# Altium PCB LimeSDR-X3_1v2.PcbDoc (part 11 of 25) (continued)
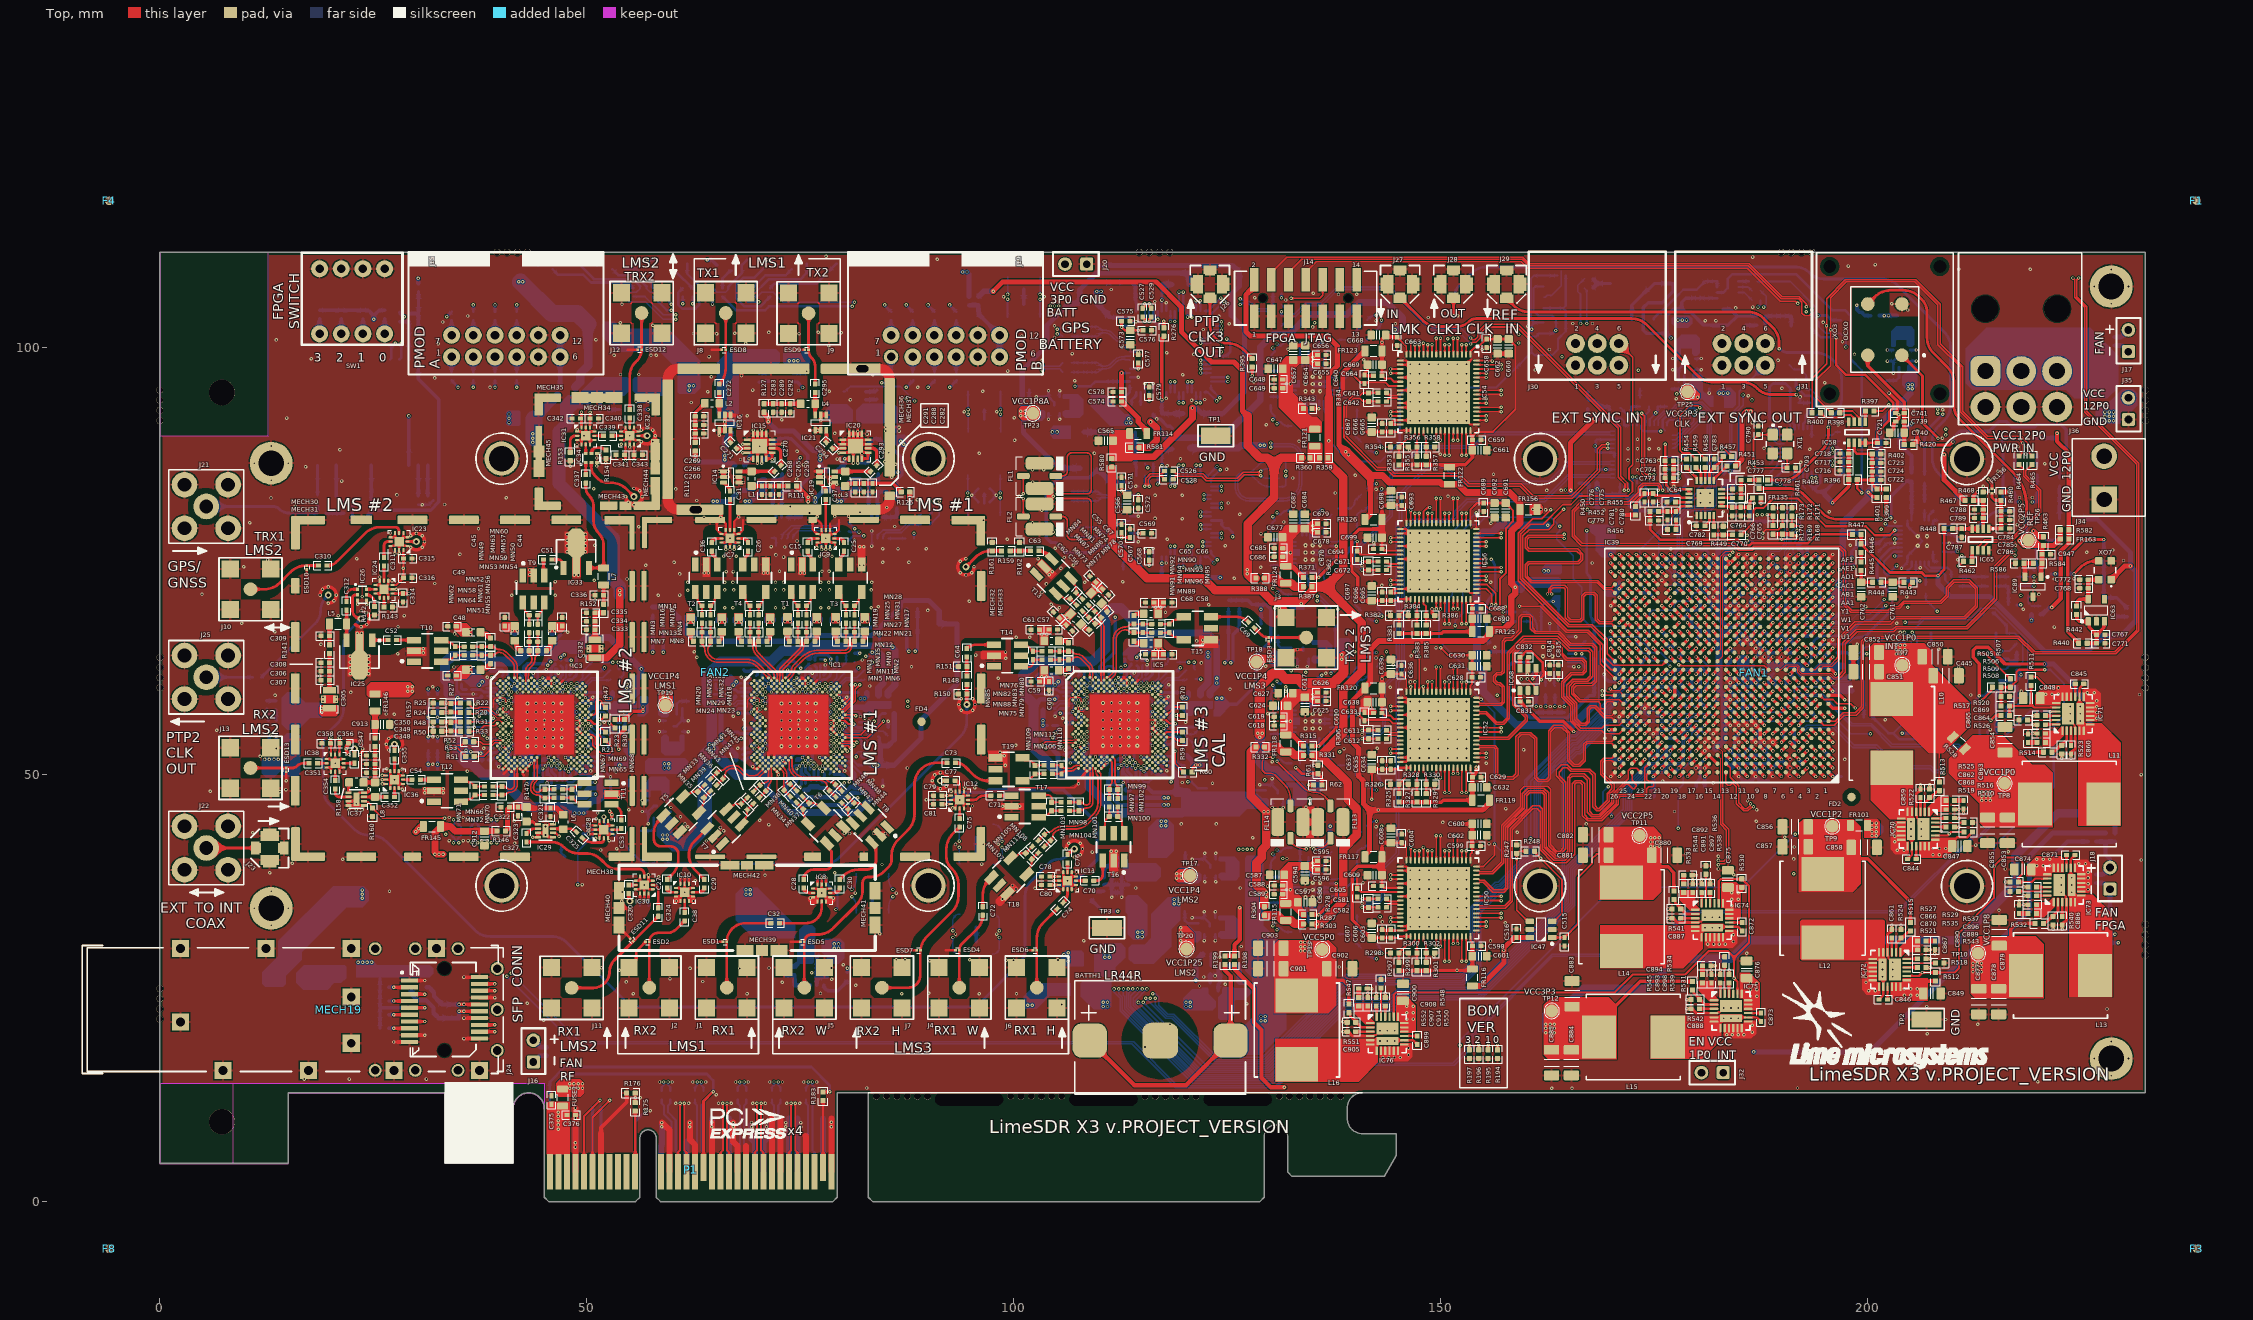
[diagram p0: Top view]
## Nets (pads, with @x,y where several pads share a name; then routed paths per layer and width w, separated by ;. In a path a pad name is that pad's centre, name@x,y a point inside that pad or via, vN(x,y) a via of type N, cw(c..) or ccw(c..) an arc to the next point about the centre after c; other vN are vias at no path point) (continued)
LMS1_MCLK2: IC1.P34 IC39.AA4 | length 196.9
  Top w0.15: IC1.P34@80.24,57.005 81.362,57.005 v1(81.481,56.885)
  Top w0.4: IC39.AA4@192.375,70.275 v1(192.875,70.775)
  L3 w0.1: v1(81.481,56.885) 81.481,57.181 81.971,57.671 83.479,57.671 83.85,57.3 86.725,57.3 86.95,57.525 86.95,58.425 86.775,58.6 85.35,58.6 85.075,58.875 85.075,59.2 85.275,59.4 88.15,59.4 89.575,60.825 89.575,62.974 90.375,63.774 90.375,66.758 96.25,72.633 96.25,75.258 103.3,82.308 103.3,83.133 110.64,90.473 110.64,90.89 111.25,91.5 111.25,102.449 116.301,107.5 120.794,107.5 121.494,108.2 154.032,108.2 154.629,107.603 191.772,107.603 199.256,100.119 199.256,92.56 199.45,92.366 199.45,84.551 197.55,82.651 197.55,77.955 194.525,74.93 194.525,74.75 194.525,74.35 194.745,74.13 195.17,74.13 195.325,73.975 195.325,73.425 195.125,73.225 194.65,73.225 194.475,73.05 194.475,72.425 194.65,72.25 195.15,72.25 195.297,72.103 195.297,71.703 194.225,70.63 193.77,70.175 193.075,70.175 192.875,70.375 v1(192.875,70.775)
LMS1_RESET: IC1.E27 IC39.V1 R2.1 | length 197.6
  Top w0.4: IC39.V1@195.375,67.275 v1(195.875,67.775)
  L3 w0.1: v2(77.909,60.002) 78.392,60.002 81.461,63.071 82.457,63.071 83.207,63.821 84.05,63.821 84.75,64.521 84.75,69.8 86.125,71.175 86.125,72.15 96.17,82.195 96.17,83.795 102.975,90.6 106.525,90.6 108.65,92.725 108.65,103.531 108.75,103.631 115.219,110.1 119.717,110.1 120.417,110.8 155.109,110.8 155.684,110.225 192.858,110.225 201.875,101.208 201.875,93.618 202.05,93.443 202.05,82.275 200.275,80.5 200.275,71.809 196.241,67.775 v1(195.875,67.775)
  Bottom w0.4: v1(195.875,67.775) R2.1@196.55,67.775
LMS1_RX1_H: C30.1 IC8.8 | length 1.6
  Top w0.325: IC8.8@78.363,36.145 IC8.8@78.488,36.145 78.983,36.145 ccw(c78.983,36.762) C30.1@79.6,36.762
LMS1_RX1_IN: C32.1 ESD1.1 J1.1 | length 11.8
  Top w0.325: J1.1@66.375,25.05 66.375,29.421 ESD1.1@66.375,30.421 cw(c68.554,30.421) 68.554,32.6 C32.1@71.525,32.6
LMS1_RX1_L: C28.1 IC8.2 | length 1.6
  Top w0.325: C28.1@75.375,36.762 ccw(c75.992,36.762) 75.992,36.145 IC8.2@76.488,36.145 IC8.2@76.612,36.145
LMS1_RX2_H: C29.1 IC10.8 | length 1.7
  Top w0.325: IC10.8@62.315,36.22 IC10.8@62.44,36.22 63.223,36.22 ccw(c63.223,36.732) C29.1@63.735,36.732
LMS1_RX2_IN: C38.1 ESD2.1 J2.1 | length 10.7
  Top w0.325: J2.1@57.3,25.05 57.3,29.318 ESD2.1@57.3,30.421 cw(c58.354,30.421) 58.354,31.475 59.425,31.475 ccw(c59.425,32.972) 60.483,31.913 61.303,32.732 61.353,32.732 61.44,32.82 C38.1@61.44,32.87
LMS1_RX2_L: C27.1 IC10.2 | length 1.5
  Top w0.325: C27.1@59.395,36.72 ccw(c59.895,36.72) 59.895,36.22 IC10.2@60.44,36.22 IC10.2@60.565,36.22
LMS1_RXEN: IC1.V34 IC39.AE3 R4.2 | length 140.3
  Top w0.4: IC39.AE3@193.375,74.275 v1(193.875,74.775)
  L6 w0.1: v1(81.516,52.107) 82.653,52.107 100.747,70.2 102.95,70.2 106.225,73.475 107.15,73.475 107.65,73.975 113.275,73.975 115.2,72.05 128.1,72.05 129.625,72.05 130.05,72.475 136,72.475 136.65,73.125 143.075,73.125 144.275,74.325 155.567,74.325 157.967,76.725 164.117,76.725 165.442,78.05 167.1,78.05 169.55,80.5 170.625,80.5 171.25,81.125 181.65,81.125 183.35,82.825 188.15,82.825 188.525,82.45 189.6,82.45 191.075,80.975 192.325,80.975 192.85,80.45 192.85,79.775 192.7,79.625 192.7,77.525 194.225,76 194.225,75.125 v1(193.875,74.775)
  Bottom w0.15: v1(81.516,52.107) 81.516,52.457 81.753,52.694 82.669,52.694 R4.2@83.15,53.175
  Bottom w0.2: v2(80.24,55.673) 81.044,54.869 81.856,54.869 83.15,53.575 R4.2@83.15,53.175
LMS1_RxPLL_CLK: C799.2 IC1.AM24 R472.1 | length 101.4
  L8 w0.1: v2(76.91,51.011) 77.227,51.328 cw(c78.069,50.486) 78.069,51.677 79.339,51.677 ccw(c79.339,54.061) 81.025,52.375 cw(c82.474,50.926) 82.474,52.975 91.298,52.975 ccw(c91.298,55.515) 93.094,53.719 102.344,62.969 ; 102.345,62.97 cw(c103.625,61.689) 103.625,63.5 ccw(c103.625,65.009) 104.692,63.942 106.856,66.106 cw(c108.652,64.31) 108.652,66.85 121.848,66.85 ccw(c121.848,69.39) 123.644,67.594 125.456,69.406 cw(c127.252,67.61) 127.252,70.15 130.485,70.15 cw(c130.485,67.76) 132.175,69.45 135.506,66.119 ccw(c137.302,67.915) 137.302,65.375 142.923,65.375 cw(c142.923,62.835) 144.719,64.631 146.981,62.369 ccw(c148.777,64.165) 148.777,61.625 151.15,61.625 cw(c151.15,61.025) 151.75,61.025 ccw(c153.078,61.025) 152.139,60.086 cw(c151.448,59.395) 152.425,59.395 152.425,58.525 ccw(c153.075,58.525) 153.075,57.875 153.475,57.875 cw(c153.475,57.09) 154.03,57.645 154.425,57.25 ccw(c155.089,57.914) 155.089,56.975 162.6,56.975 ccw(c162.6,57.725) 163.35,57.725 v1(163.35,57.976)
  Bottom w0.325: C799.2@163.35,58.276 R472.1@163.35,59.376
LMS1_RXRF1_HAB_N: IC1.AJ15 MN46.1 MN48.2 | length 8.1
  Top w0.2: IC1.AJ15@73.913,52.01 cw(c73.672,51.768) 74.013,51.768 74.013,50.984 ccw(c74.968,50.984) 74.293,50.309 74.486,50.116 ccw(c75.5,51.13) 75.5,49.696 77.185,49.696 cw(c77.185,48.265) 78.197,49.277 ccw(c78.556,49.636) 78.556,49.128 78.602,49.128 cw(c78.602,48.62) 78.961,48.979 MN46.1@79.095,48.845 ; MN46.1@79.1,48.84 MN48.2@79.837,48.103
LMS1_RXRF1_HAB_P: IC1.AK14 MN42.2 MN46.2 | length 8
  Top w0.2: IC1.AK14@73.58,51.677 cw(c73.355,51.452) 73.673,51.452 73.673,50.982 ccw(c74.963,50.982) 74.051,50.07 74.248,49.873 ccw(c75.496,51.121) 75.496,49.356 77.185,49.356 cw(c77.185,48.265) 77.956,49.036 cw(c77.597,48.677) 78.105,48.677 78.105,48.631 ccw(c78.613,48.631) 78.254,48.272 MN46.2@78.388,48.138 MN42.2@79.13,47.395
LMS1_RXRF1_HBB_N: MN44.1 MN48.1 T8.6 | length 2.2
  Top w0.2: MN48.1@80.545,47.395 MN44.1@81.287,46.653 81.854,46.653 cw(c81.854,46.316) 82.093,46.554 T8.6@82.312,46.335
LMS1_RXRF1_HBB_P: MN42.1 MN44.2 T8.4 | length 2.2
  Top w0.2: MN42.1@79.837,46.688 80.12,46.405 MN44.2@80.58,45.946 80.58,45.378 ccw(c80.917,45.378) 80.679,45.14 T8.4@80.898,44.921
LMS1_RXRF1_LAB_N: IC1.AM12 MN38.1 MN40.2 | length 3.4
  Top w0.2: IC1.AM12@72.914,51.011 ccw(c73.012,51.011) 72.943,50.941 72.971,50.913 cw(c72.926,50.869) 72.989,50.869 ccw(c73.052,50.869) 73.007,50.825 73.084,50.748 cw(c72.345,50.009) 73.39,50.009 73.39,49.035 MN38.1@73.55,48.875 ; MN38.1@73.792,48.882 MN40.2@74.53,48.145
LMS1_RXRF1_LAB_P: IC1.AN11 MN34.2 MN38.2 | length 3.8
  Top w0.2: IC1.AN11@72.581,50.678 cw(c72.581,50.58) 72.65,50.649 72.678,50.621 ccw(c72.723,50.665) 72.723,50.603 cw(c72.723,50.54) 72.767,50.584 72.841,50.51 cw(c72.338,50.006) 73.05,50.006 73.05,48.253 ccw(c73.153,48.253) MN38.2@73.08,48.18 ; MN38.2@73.08,48.18 MN34.2@73.822,47.438
LMS1_RXRF1_LBB_N: MN37.1 MN40.1 T6.6 | length 2.5
  Top w0.2: MN40.1@75.237,47.438 MN37.1@75.979,46.695 ; MN37.1@76.015,46.66 76.582,46.66 cw(c76.582,46.323) 76.82,46.561 T6.6@77.28,46.101
LMS1_RXRF1_LBB_P: MN34.1 MN37.2 T6.4 | length 2.5
  Top w0.2: MN34.1@74.53,46.73 MN37.2@75.272,45.988 ; MN37.2@75.307,45.953 75.307,45.385 ccw(c75.645,45.385) 75.406,45.147 T6.4@75.866,44.687
LMS1_RXRF2_HAB_N: IC1.AM8 MN45.1 MN47.2 | length 4.2
  Top w0.11: 71.582,50.505 IC1.AM8@71.582,51.011
  Top w0.14: 71.582,50.505 71.582,49.765 71.591,49.755
  Top w0.2: MN47.2@70.219,47.33 MN45.1@70.957,48.067 ; MN45.1@70.962,48.072 71.096,48.206 ccw(c70.737,48.566) 71.245,48.566 71.245,48.611 cw(c71.753,48.611) 71.393,48.971 ccw(c70.915,49.449) 71.591,49.449 71.591,49.755
LMS1_RXRF2_HAB_P: IC1.AN7 MN41.2 MN45.2 | length 3.6
  Top w0.14: IC1.AN7@71.249,50.678 cw(c71.22,50.649) 71.261,50.649 71.261,49.765 71.251,49.755
  Top w0.2: MN41.2@69.512,48.037 MN45.2@70.255,48.779 70.389,48.913 cw(c70.748,48.554) 70.748,49.062 70.794,49.062 ccw(c70.794,49.57) 71.153,49.211 ccw(c70.915,49.449) 71.251,49.449 71.251,49.755
LMS1_RXRF2_HBB_N: MN43.1 MN47.1 T7.6 | length 3
  Top w0.2: T7.6@68.176,44.092 68.176,44.579 68.636,45.039 ccw(c68.397,45.277) 68.734,45.277 MN43.1@68.734,45.845 ; MN43.1@68.77,45.88 MN47.1@69.512,46.623
LMS1_RXRF2_HBB_P: MN41.1 MN43.2 T7.4 | length 3
  Top w0.2: T7.4@66.274,45.994 66.762,45.994 67.221,46.453 cw(c67.46,46.215) 67.46,46.552 MN43.2@68.027,46.552 ; MN43.2@68.063,46.587 MN41.1@68.805,47.33
LMS1_RXRF2_LAB_N: IC1.AP6 MN36.1 MN39.2 | length 7.4
  Top w0.2: MN39.2@65.173,48.775 MN36.1@65.911,49.513 ; MN36.1@65.916,49.518 65.983,49.585 66.05,49.652 ccw(c65.691,50.011) 66.199,50.011 66.199,50.057 cw(c66.707,50.057) 66.348,50.416 cw(c67.093,49.671) 67.093,50.725 67.25,50.725 cw(c67.25,50.015) 67.753,50.517 68.495,49.774 ccw(c69.072,50.351) 69.072,49.535 69.599,49.535 ccw(c69.599,50.536) 70.307,49.828 70.73,50.251 cw(c70.774,50.207) 70.774,50.27 ccw(c70.774,50.332) 70.819,50.288 70.847,50.316 cw(c70.916,50.247) IC1.AP6@70.916,50.345
LMS1_RXRF2_LAB_P: IC1.AN5 MN33.2 MN36.2 | length 7.4
  Top w0.2: MN33.2@64.466,49.483 65.209,50.225 65.276,50.292 65.343,50.359 cw(c65.702,50) 65.702,50.508 65.748,50.508 ccw(c65.748,51.016) 66.107,50.657 66.109,50.659 cw(c67.09,49.678) 67.09,51.065 67.253,51.065 cw(c67.253,50.021) 67.991,50.759 68.734,50.016 ccw(c69.075,50.358) 69.075,49.875 69.597,49.875 ccw(c69.597,50.543) 70.069,50.071 70.49,50.492 ccw(c70.445,50.536) 70.508,50.536 cw(c70.571,50.536) 70.526,50.58 70.554,50.608 ccw(c70.485,50.678) IC1.AN5@70.583,50.678
LMS1_RXRF2_LBB_N: MN35.1 MN39.1 T5.6 | length 3
  Top w0.2: T5.6@63.13,45.537 63.13,46.025 63.59,46.485 ccw(c63.351,46.723) 63.689,46.723 MN35.1@63.689,47.291 ; MN35.1@63.724,47.326 MN39.1@64.466,48.068
LMS1_RXRF2_LBB_P: MN33.1 MN35.2 T5.4 | length 3
  Top w0.2: T5.4@61.228,47.439 61.716,47.439 62.176,47.899 cw(c62.414,47.661) 62.414,47.998 MN35.2@62.981,47.998 ; MN35.2@63.017,48.033 MN33.1@63.759,48.776
LMS1_TX1_1: C16.1 IC7.8 | length 1.5
  Top w0.325: C16.1@64.627,77.148 cw(c65.14,77.148) 65.14,77.66 IC7.8@65.747,77.66 IC7.8@65.872,77.66
LMS1_TX1_2: C26.1 IC7.2 | length 1.5
  Top w0.325: IC7.2@67.622,77.66 IC7.2@67.747,77.66 68.355,77.66 cw(c68.355,77.148) C26.1@68.867,77.148
LMS1_TX1_EN: IC13.3 IC39.J23 | length 128
  Top w0.4: v1(172.875,57.775) IC39.J23@173.375,58.275
  L4 w0.1: v1(131.825,60.3) 134.3,57.825 136,57.825 137.575,56.25 143.817,56.25 145.667,58.1 153.45,58.1 154.75,56.8 168.55,56.8 169.1,57.35 172.45,57.35 v1(172.875,57.775)
  L10 w0.1: v1(87.375,94) 87.625,94.25 88.398,94.25 88.948,93.7 101.6,93.7 102.5,92.8 113.558,92.8 114.55,91.808 114.55,88.2 116.528,86.222 116.528,85.83 117.725,84.633 117.725,80.308 119.7,78.333 119.7,76.178 120.65,75.228 120.65,72.983 129.1,64.533 129.1,60.608 129.858,59.85 131.375,59.85 v1(131.825,60.3)
  L6 w0.1: v1(75.25,95.325) 86.05,95.325 v1(87.375,94)
  Bottom w0.4: IC13.3@74.075,96.075 74.175,95.975 74.6,95.975 v1(75.25,95.325)
LMS1_TX1_OUT: C31.2 IC14.3 | length 1.4
  Top w0.325: IC14.3@65.997,84.199 66.747,83.449 C31.2@66.747,83.13
LMS1_TX1_PA_OUT: C272.2 ESD8.1 J8.1 | length 8.5
  Top w0.325: C272.2@65.497,95.755 65.504,95.761 ccw(c63.707,97.557) 66.247,97.557 66.247,98.429 J8.1@66.247,104.05
LMS1_TX1_PA_VCTRL: C278.2 C279.1 R119.2 R121.1 | length 10.8
  Bottom w0.4: R119.2@71.725,88.65 72.403,89.328 72.928,89.328 C278.2@72.95,89.35 73.9,89.35 75.85,87.4 75.85,84.658 75.069,83.877 C279.1@75.069,83.264 R121.1@75.069,82.189
LMS1_TX2_1: C15.1 IC9.8 | length 1.5
  Top w0.325: C15.1@75.853,77.148 cw(c76.366,77.148) 76.366,77.66 IC9.8@76.973,77.66 IC9.8@77.098,77.66
LMS1_TX2_2: C25.1 IC9.2 | length 1.5
  Top w0.325: IC9.2@78.848,77.66 IC9.2@78.973,77.66 79.581,77.66 cw(c79.581,77.148) C25.1@80.093,77.148
LMS1_TX2_EN: IC18.3 IC39.H23 | length 121.8
  Top w0.4: v1(172.875,56.775) IC39.H23@173.375,57.275
  L4 w0.1: v1(131.825,59.75) 133.95,57.625 135.917,57.625 137.492,56.05 139.4,56.05 143.9,56.05 145.75,57.9 153.367,57.9 154.667,56.6 168.633,56.6 169.183,57.15 172.5,57.15 v1(172.875,56.775)
  L10 w0.1: v1(88.375,93.75) 88.625,93.5 101.517,93.5 102.417,92.6 113.475,92.6 114.35,91.725 114.35,88.117 116.328,86.139 116.328,85.747 117.525,84.55 117.525,80.225 119.5,78.25 119.5,76.096 120.45,75.146 120.45,72.9 128.9,64.45 128.9,60.525 129.925,59.5 131.575,59.5 v1(131.825,59.75)
  Bottom w0.2: IC18.3@80.025,94.85 80.215,94.85 80.815,95.45 86.675,95.45 v1(88.375,93.75)
LMS1_TX2_OUT: C37.2 IC19.3 | length 1.4
  Top w0.325: IC19.3@77.225,84.2 77.223,84.199 77.973,83.449 C37.2@77.973,83.13
LMS1_TX2_PA_OUT: C295.2 ESD9.1 J9.1 | length 8.5
  Top w0.325: J9.1@75.95,104.025 75.95,99.68 ccw(c77.23,99.68) 76.325,98.775 cw(c75.363,97.813) 76.723,97.813 76.723,96.928 C295.2@76.724,95.755
LMS1_TX2_PA_VCTRL: C301.2 C302.1 R134.2 R136.1 | length 10.3
  Bottom w0.4: R134.2@82.953,88.652 83.63,89.329 C301.2@84.155,89.329 85.135,88.35 85.65,88.35 86.875,87.125 86.875,85.1 86.3,84.525 C302.1@86.3,83.3 86.3,82.194 R136.1@86.296,82.189
LMS1_TXEN: IC1.U29 IC39.V6 R3.2 | length 191.2
  Top w0.4: IC39.V6@190.375,67.275 v1(190.875,67.775)
  L3 w0.1: v2(78.575,56.006) 78.575,55.45 78.05,54.925 78.05,52.046 80.05,50.046 81.154,50.046 82.179,49.021 83.721,49.021 86.075,51.375 91.6,51.375 94.9,54.675 97.175,54.675 102.55,60.05 103.683,60.05 104.975,61.342 104.975,63.242 111.775,70.042 111.775,81.6 113.875,83.7 113.875,84.142 114.325,84.592 114.325,85.134 116.729,87.539 122.114,87.539 129.811,95.236 129.811,100.228 130.558,100.975 135.206,100.975 136.356,102.125 140.181,102.125 142.256,104.2 152.375,104.2 153.377,103.198 172.262,103.198 173.309,102.15 188.5,102.15 190.3,100.35 190.3,93.925 191.3,92.925 191.3,82.611 189.8,81.111 189.8,78.833 189.025,78.058 189.025,77.358 188.125,76.458 188.125,74.825 188.125,74.464 188.375,74.214 188.375,71.78 189.663,70.492 189.73,70.425 190.72,70.425 191.225,69.92 191.225,68.125 v1(190.875,67.775)
  Bottom w0.4: v1(190.875,67.775) R3.2@191.375,68.275
LMS1_TXNRX1: IC1.V32 IC39.AF4 R1.1 | length 183.3
  Top w0.4: IC39.AF4@192.375,75.275 v1(192.875,75.775)
  L3 w0.1: v2(79.574,55.673) 79.582,55.681 79.582,56.145 79.768,56.331 80.094,56.331 81.068,55.357 90.667,55.357 91.775,56.465 91.775,65.124 98.5,71.849 98.5,73.775 107.325,82.6 107.325,84.2 113.575,90.45 116.4,90.45 117.35,91.4 118.575,91.4 119.525,90.45 121.065,90.45 125.9,95.285 125.9,96.875 124.7,98.075 124.7,98.4 125.975,99.675 125.975,101.706 128.869,104.6 131.875,104.6 132.35,104.125 133.075,104.125 133.65,104.7 133.65,105.734 134.916,107 153.535,107 154.537,105.998 189.862,105.998 197.441,98.418 197.441,84.471 195.05,82.075 195.05,78.253 192.875,76.078 v1(192.875,75.775)
  Bottom w0.4: v1@192.875,75.825 R1.1@192.875,76.525
LMS1_TXNRX2: IC1.U31 IC39.AF3 R11.2 | length 194.2
  Top w0.4: IC39.AF3@193.375,75.275 v1(193.875,75.775)
  L3 w0.1: v1(82.55,56.621) 83.45,56.621 83.8,56.971 87.296,56.971 90.45,60.125 90.45,63 90.975,63.525 90.975,65.65 97.175,71.85 97.175,73.675 103.95,80.45 103.95,82.675 111.24,89.965 111.24,90.641 111.85,91.251 111.85,102.2 116.55,106.9 121.043,106.9 121.743,107.6 121.956,107.6 122.26,107.6 122.625,107.6 cw(c122.625,107.357) 122.868,107.357 122.868,106.319 ccw(c123.111,106.319) 123.111,106.076 123.233,106.076 ccw(c123.233,106.319) 123.476,106.319 123.476,107.357 cw(c123.719,107.357) 123.719,107.6 123.841,107.6 cw(c123.841,107.357) 124.084,107.357 124.084,106.388 ccw(c124.327,106.388) 124.327,106.145 124.449,106.145 ccw(c124.449,106.388) 124.692,106.388 124.692,107.357 cw(c124.935,107.357) 124.935,107.6 125.057,107.6 cw(c125.057,107.357) 125.3,107.357 125.3,106.319 ccw(c125.543,106.319) 125.543,106.076 125.665,106.076 ccw(c125.665,106.319) 125.908,106.319 125.908,107.357 cw(c126.151,107.357) 126.151,107.6 126.273,107.6 cw(c126.273,107.357) 126.516,107.357 126.516,106.319 ccw(c126.759,106.319) 126.759,106.076 126.881,106.076 ccw(c126.881,106.319) 127.124,106.319 127.124,107.357 cw(c127.367,107.357) 127.367,107.6 129.4,107.6 153.783,107.6 154.386,106.998 191.407,106.998 197.875,100.53 197.875,98.925 198.25,98.55 198.25,85.625 198.675,85.2 198.675,84.625 196.95,82.9 196.95,78.85 v1(193.875,75.775)
  L4 w0.1: v2(79.241,56.006) 79.366,56.006 80.054,56.694 81.122,56.694 81.47,56.346 82.275,56.346 v1(82.55,56.621)
  Bottom w0.15: v2(79.241,56.006) v2@79.258,56.023
  Bottom w0.4: v1(193.875,75.775) R11.2@194.375,75.275
LMS1_TxPLL_CLK: C798.2 IC1.E5 R471.1 | length 107.8
  L8 w0.1: v2(70.583,60.002) cw(c71.508,60.926) 70.2,60.926 cw(c71.163,60.926) 70.482,61.607 75.506,66.631 cw(c77.302,64.835) 77.302,67.375 120.998,67.375 ccw(c120.998,69.915) 122.794,68.119 124.581,69.906 cw(c126.377,68.11) 126.377,70.65 130.798,70.65 cw(c130.798,68.11) 132.594,69.906 135.806,66.694 ccw(c137.602,68.49) 137.602,65.95 149.098,65.95 cw(c149.098,63.41) 150.894,65.206 153.256,62.844 cw(c151.46,61.048) 154,61.048 154,58.964 ccw(c154.939,58.964) 154.275,58.3 ccw(c155.995,60.02) 155.995,57.588 158.259,57.588 ccw(c158.259,58.561) 158.948,57.873 159.225,58.15 cw(c160.251,57.124) 160.251,58.575 163.851,58.575 cw(c163.851,57.976) v1(164.45,57.976)
  Bottom w0.325: C798.2@164.45,58.276 R471.1@164.45,59.376
LMS1_TXRF1_1AB_N: IC1.A7 MN7.1 MN13.2 MN16.2 | length 12.1
  Top w0.2: MN16.2@63.47,67.721 MN13.2@63.47,66.671 63.47,66.021 MN7.1@63.47,65.621 63.47,65.431 ccw(c63.978,65.431) 63.619,65.072 63.651,65.039 cw(c63.292,64.68) 63.8,64.68 ccw(c65.33,64.68) 65.33,63.151 68.787,63.151 cw(c68.787,61.71) 69.806,62.729 71.166,61.369 71.214,61.369 IC1.A7@71.249,61.334
LMS1_TXRF1_1AB_P: IC1.B8 MN8.1 MN10.2 MN13.1 | length 12.4
  Top w0.11: 71.354,61.696 71.504,61.546 cw(c71.314,61.356) 71.582,61.356 IC1.B8@71.582,61.001
  Top w0.2: MN10.2@64.47,67.721 MN13.1@64.47,66.671 MN8.1@64.47,65.621 64.47,65.431 cw(c63.962,65.431) 64.321,65.072 64.289,65.039 ccw(c64.648,64.68) 64.14,64.68 ccw(c65.33,64.68) 65.33,63.491 68.787,63.491 cw(c68.787,61.71) 70.046,62.969 71.311,61.704
LMS1_TXRF1_1BB_N: MN14.1 MN16.1 T2.6 | length 3
  Top w0.2: T2.6@62.625,71.405 62.97,71.06 62.97,70.41 ccw(c63.307,70.41) 63.069,70.172 MN14.1@63.47,69.771 MN16.1@63.47,68.721
LMS1_TXRF1_1BB_P: MN10.1 MN14.2 T2.4 | length 3
  Top w0.2: MN10.1@64.47,68.721 64.47,69.121 MN14.2@64.47,69.771 64.871,70.172 ccw(c64.633,70.41) 64.97,70.41 64.97,71.06 T2.4@65.315,71.405
LMS1_TXRF1_2AB_N: IC1.B10 MN23.1 MN29.1 MN32.1 | length 7.8
  Top w0.19: IC1.B10@72.248,61.001 ccw(c72.132,61.116) 72.296,61.116 72.296,61.501
  Top w0.2: MN32.1@70.1,67.721 MN29.1@70.1,66.671 MN23.1@70.1,65.621 69.9,65.421 69.887,65.421 ccw(c70.17,65.138) 69.77,65.138 69.77,65.024 ccw(c70.926,65.024) 70.108,64.207 ; 70.109,64.206 70.483,63.832 ; 70.485,63.83 71.93,62.385 cw(c71.046,61.501) 72.296,61.501
LMS1_TXRF1_2AB_P: IC1.A9 MN24.1 MN26.2 MN29.2 | length 7.4
  Top w0.2: MN26.2@69.1,67.721 MN29.2@69.1,66.671 69.1,66.021 MN24.1@69.1,65.621 69.3,65.421 69.313,65.421 cw(c69.03,65.138) 69.43,65.138 69.43,65.025 ; 69.43,65.023 ccw(c70.924,65.023) 69.866,63.968 ccw(c70.924,65.023) 69.867,63.967 70.242,63.592 ccw(c72.207,65.555) 70.243,63.591 71.695,62.139 cw(c71.165,61.609) 71.915,61.609 IC1.A9@71.915,61.334
LMS1_TXRF1_2BB_N: MN30.1 MN32.2 T4.4 | length 3
  Top w0.2: MN32.2@70.1,68.721 70.1,69.121 MN30.1@70.1,69.771 70.501,70.172 ccw(c70.263,70.41) 70.6,70.41 70.6,71.06 T4.4@70.945,71.405
LMS1_TXRF1_2BB_P: MN26.1 MN30.2 T4.6 | length 3
  Top w0.2: T4.6@68.255,71.405 68.6,71.06 68.6,70.41 ccw(c68.937,70.41) 68.699,70.172 MN30.2@69.1,69.771 MN26.1@69.1,68.721
LMS1_TXRF2_1AB_N: IC1.C11 MN5.1 MN11.2 MN15.2 | length 8.2
  Top w0.11: IC1.C11@72.581,60.668 72.581,61.173
  Top w0.14: 72.572,61.923 72.581,61.913 72.581,61.173
  Top w0.2: 72.572,61.923 72.572,62.227 cw(c72.981,62.227) 72.691,62.516 74.91,64.735 ccw(c74.62,65.025) 75.03,65.025 75.03,65.138 ccw(c74.63,65.138) 74.913,65.421 74.9,65.421 MN5.1@74.7,65.621 74.7,66.021 MN11.2@74.7,66.671 MN15.2@74.7,67.721
LMS1_TXRF2_1AB_P: IC1.B12 MN6.1 MN9.2 MN11.1 | length 7.8
  Top w0.14: 72.912,61.923 72.902,61.913 72.902,61.03 ccw(c72.943,61.03) IC1.B12@72.914,61.001
  Top w0.2: 72.912,61.923 72.912,62.086 ; 72.912,62.087 cw(c73.321,62.086) 73.031,62.375 75.151,64.495 ccw(c74.622,65.024) 75.37,65.024 75.37,65.138 cw(c75.77,65.138) 75.487,65.421 75.5,65.421 MN6.1@75.7,65.621 MN11.1@75.7,66.671 MN9.2@75.7,67.721
LMS1_TXRF2_1BB_N: MN12.1 MN15.1 T1.6 | length 3
  Top w0.2: T1.6@73.855,71.405 74.2,71.06 74.2,70.41 ccw(c74.537,70.41) 74.299,70.172 MN12.1@74.7,69.771 MN15.1@74.7,68.721
LMS1_TXRF2_1BB_P: MN9.1 MN12.2 T1.4 | length 3
  Top w0.2: MN9.1@75.7,68.721 75.7,69.121 MN12.2@75.7,69.771 76.101,70.172 ccw(c75.863,70.41) 76.2,70.41 76.2,71.06 T1.4@76.545,71.405
LMS1_TXRF2_2AB_N: IC1.B14 MN21.1 MN27.1 MN31.1 | length 12.2
  Top w0.2: IC1.B14@73.58,61.001 cw(c73.678,61.001) IC1.B14@73.609,61.07 ; IC1.B14@73.609,61.07 73.637,61.098 ccw(c73.592,61.142) 73.655,61.142 cw(c73.718,61.142) 73.673,61.187 73.979,61.492 ccw(c73.228,62.243) 74.29,62.243 cw(c74.705,62.243) 74.411,62.536 ; 74.412,62.537 75.366,63.491 cw(c77.162,61.695) 77.162,64.235 80.181,64.235 ccw(c80.181,65.05) 80.996,65.05 80.996,65.138 cw(c81.396,65.138) 81.113,65.421 81.126,65.421 MN21.1@81.326,65.621 MN27.1@81.326,66.671 MN31.1@81.326,67.721
LMS1_TXRF2_2AB_P: IC1.A13 MN22.1 MN25.2 MN27.2 | length 12
  Top w0.2: IC1.A13@73.247,61.334 ccw(c73.247,61.432) IC1.A13@73.316,61.362 ; IC1.A13@73.316,61.362 73.344,61.39 cw(c73.389,61.346) 73.389,61.409 ccw(c73.389,61.471) 73.433,61.427 73.738,61.732 ccw(c73.227,62.243) 73.95,62.243 cw(c74.703,62.244) 74.17,62.776 75.127,63.733 cw(c77.16,61.7) 75.13,63.735 cw(c77.16,61.7) 77.16,64.575 80.181,64.575 ccw(c80.181,65.05) 80.656,65.05 80.656,65.138 ccw(c80.256,65.138) 80.539,65.421 80.526,65.421 MN22.1@80.326,65.621 80.326,66.021 MN27.2@80.326,66.671 MN25.2@80.326,67.721
LMS1_TXRF2_2BB_N: MN28.1 MN31.2 T3.4 | length 3
  Top w0.2: MN31.2@81.326,68.721 81.326,69.121 MN28.1@81.326,69.771 81.727,70.172 ccw(c81.489,70.41) 81.826,70.41 81.826,71.06 T3.4@82.171,71.405
LMS1_TXRF2_2BB_P: MN25.1 MN28.2 T3.6 | length 3
  Top w0.2: T3.6@79.481,71.405 79.826,71.06 79.826,70.41 ccw(c80.163,70.41) 79.925,70.172 MN28.2@80.326,69.771 MN25.1@80.326,68.721
LMS2_BB_ADC1_CLK_N: C582.2 IC67.25 R278.1 | length 76.4
  Top w0.2: v1(140.752,34.452) R278.1@141.534,34.452 C582.2@142.634,34.452
  Bottom w0.2: v1(140.752,34.452) 140.806,34.452 140.906,34.552 140.917,34.552 141.167,34.802 142.601,34.802 143.375,35.576 143.375,39 145.075,40.7 145.075,60.825 145.7,61.45 145.7,78.425 146.85,79.575 151.274,79.575 151.875,80.176 151.875,80.675 153.15,81.95 162.174,81.95 165.049,84.825 169.812,84.825 169.887,84.75 170.275,84.75 IC67.25@170.3,84.725
LMS2_BB_ADC1_CLK_P: C581.2 IC67.26 R278.2 | length 76.4
  Top w0.2: v1(140.752,35.452) R278.2@141.534,35.452 C581.2@142.634,35.452
  Bottom w0.2: v1(140.752,35.452) 140.806,35.452 140.906,35.352 140.917,35.352 141.167,35.102 142.477,35.102 143.075,35.7 143.075,39.124 144.775,40.824 144.775,60.949 145.4,61.574 145.4,78.549 146.726,79.875 151.15,79.875 151.575,80.3 151.575,80.799 153.026,82.25 162.05,82.25 164.925,85.125 169.812,85.125 169.887,85.2 170.275,85.2 IC67.26@170.3,85.225
LMS2_BB_ADC1_CLKC_N: C582.1 IC50.26 | length 1.8
  Top w0.2: C582.1@143.634,34.5 143.822,34.688 ccw(c143.794,34.716) 143.834,34.716 cw(c143.873,34.716) 143.845,34.744 cw(c144.1,34.49) 144.1,34.85 144.625,34.85 144.813,34.85 cw(c144.813,34.679) 144.934,34.8 ccw(c145.055,34.921) 145.055,34.75 IC50.26@145.25,34.75
LMS2_BB_ADC1_CLKC_P: C581.1 IC50.25 | length 1.8
  Top w0.2: C581.1@143.634,35.5 C581.1@143.822,35.312 ; C581.1@143.822,35.312 cw(c143.794,35.284) 143.834,35.284 ccw(c143.873,35.284) 143.845,35.256 ccw(c144.1,35.51) 144.1,35.15 144.813,35.15 ccw(c144.813,35.321) 144.934,35.2 cw(c145.055,35.079) 145.055,35.25 IC50.25@145.25,35.25
LMS2_BB_ADC1_CLKOUT_N: IC39.C18 IC50.56 | length 51.6
  Top w0.2: IC50.56@154.15,35.25 v1(157.05,35.25)
  Top w0.4: v1(177.875,51.775) IC39.C18@178.375,52.275
  L3 w0.1: v1(157.05,35.25) 157.021,35.25 156.871,35.4 156.167,35.4 155.925,35.642 155.925,36.375 156.35,36.8 157.65,36.8 158.233,36.8 158.717,36.316 158.717,31.708 159.05,31.375 159.875,31.375 160.1,31.6 160.1,33.441 160.934,34.275 163,34.275 164.475,35.75 164.475,39.307 165.093,39.925 168.751,39.925 176.076,47.25 179.25,47.25 180.3,48.3 180.3,51.9 180.025,52.175 178.275,52.175 v1(177.875,51.775)
LMS2_BB_ADC1_CLKOUT_P: IC39.D18 IC50.57 | length 51.6
  Top w0.2: IC50.57@154.15,35.75 v1(157.05,35.75)
  Top w0.4: v1(177.875,52.775) IC39.D18@178.375,53.275
  L3 w0.1: v1(157.05,35.75) 157.021,35.75 156.871,35.6 156.25,35.6 156.125,35.725 156.125,36.292 156.433,36.6 158.15,36.6 158.517,36.233 158.517,31.625 158.967,31.175 159.958,31.175 160.3,31.517 160.3,33.358 161.017,34.075 163.083,34.075 164.675,35.667 164.675,39.224 165.176,39.725 168.834,39.725 176.159,47.05 179.333,47.05 180.5,48.217 180.5,51.983 180.108,52.375 178.275,52.375 v1(177.875,52.775)
LMS2_BB_ADC1_CTRL1: IC50.35 R297.1 R298.2 | length 4.1
  Top w0.24: R297.1@145.075,28.025 R298.2@145.075,29.125 146,30.05 146.425,30.05 146.95,30.575 IC50.35@146.95,31.05
LMS2_BB_ADC1_CTRL2: IC50.36 R299.1 R300.2 | length 3.1
  Top w0.24: R299.1@147.175,28.025 R300.2@147.175,29.125 147.175,30.225 147.45,30.5 IC50.36@147.45,31.05
LMS2_BB_ADC1_CTRL3: IC50.37 R301.1 R302.2 | length 3.2
  Top w0.24: IC50.37@147.95,31.05 147.95,30.525 148.275,30.2 R302.2@148.275,29.125 R301.1@148.275,28.025
LMS2_BB_ADC1_DA0_N: IC39.A20 IC50.40 | length 51.8
  Top w0.2: v1(149.45,29.9) IC50.40@149.45,31.05
  Top w0.4: IC39.A20@176.375,50.275 v1(176.875,49.775)
  L3 w0.1: v1(149.45,29.9) 149.45,29.871 149.6,29.721 149.6,28.4 149.5,28.3 146.95,28.3 146.525,28.725 146.525,30.925 146.675,31.075 149.758,31.075 150.033,31.075 150.35,31.392 150.35,39.4 150.55,39.6 155.083,39.6 157.383,41.9 168.141,41.9 171.776,45.534 176.016,49.775 v1(176.875,49.775)
LMS2_BB_ADC1_DA0_P: IC39.B20 IC50.41 | length 52.6
  Top w0.2: v1(149.95,29.9) IC50.41@149.95,31.05
  Top w0.4: v1(175.875,50.775) IC39.B20@176.375,51.275
  L3 w0.1: v1(149.95,29.9) 149.95,29.871 149.8,29.721 149.8,28.892 149.8,28.317 149.583,28.1 146.867,28.1 146.325,28.642 146.325,31.008 146.592,31.275 148.742,31.275 149.95,31.275 150.15,31.475 150.15,39.025 150.15,39.483 150.467,39.8 155,39.8 157.3,42.1 168.059,42.1 175.875,49.916 v1(175.875,50.775)
LMS2_BB_ADC1_DA1_N: IC39.A18 IC50.42 | length 52.2
  Top w0.2: v1(150.45,28.15) IC50.42@150.45,31.05
  Top w0.4: v1(177.875,49.775) IC39.A18@178.375,50.275
  L3 w0.1: v1(150.45,28.15) 150.45,28.179 150.6,28.329 150.6,28.6 150.6,28.808 150.967,29.175 151.175,29.175 152.017,29.175 152.2,29.358 152.667,29.825 153.975,29.825 154.375,30.225 154.375,30.884 153.859,31.4 152.875,31.4 152.375,31.9 152.375,32.424 152.751,32.8 153.25,32.8 153.525,33.075 153.525,33.5 153.3,33.725 152.685,33.725 152.375,34.035 152.375,34.485 152.375,34.624 152.801,35.05 153.225,35.05 153.475,35.3 153.475,35.7 153.225,35.95 152.717,35.95 152.375,36.292 152.375,37.958 152.817,38.4 154.767,38.4 157.667,41.3 168.417,41.3 175.567,48.45 177.575,48.45 178.275,49.15 178.275,49.375 v1(177.875,49.775)
LMS2_BB_ADC1_DA1_P: IC39.A17 IC50.43 | length 52.2
  Top w0.2: v1(150.95,28.15) IC50.43@150.95,31.05
  Top w0.4: v1(178.875,49.775) IC39.A17@179.375,50.275
  L3 w0.1: v1(150.95,28.15) 150.95,28.179 150.8,28.329 150.8,28.725 151.05,28.975 152.1,28.975 152.283,29.158 152.75,29.625 154.058,29.625 154.575,30.142 154.575,30.967 153.942,31.6 152.958,31.6 152.575,31.983 152.575,32.341 152.834,32.6 153.333,32.6 153.725,32.992 153.725,33.583 153.383,33.925 152.768,33.925 152.575,34.118 152.575,34.541 152.884,34.85 153.308,34.85 153.675,35.217 153.675,35.783 153.308,36.15 152.8,36.15 152.575,36.375 152.575,36.608 152.575,37.875 152.9,38.2 154.85,38.2 157.75,41.1 168.5,41.1 175.65,48.25 177.658,48.25 178.475,49.067 178.475,49.375 v1(178.875,49.775)
LMS2_BB_ADC1_DA2_N: IC39.F17 IC50.44 | length 52.4
  Top w0.2: v1(151.45,30.225) IC50.44@151.45,31.05
  Top w0.4: IC39.F17@179.375,55.275 v1(179.875,55.775)
  L3 w0.1: v1(151.45,30.225) 151.45,30.196 151.6,30.046 151.6,29.725 151.475,29.6 150.875,29.6 150.75,29.725 150.75,30.775 151.425,31.45 151.425,38.992 151.633,39.2 154.575,39.2 155.249,39.2 157.549,41.5 168.325,41.5 175.475,48.65 176.783,48.65 177.425,49.292 177.425,50.003 177.103,50.325 176.675,50.325 176.45,50.55 176.45,51.845 176.806,52.201 177.079,52.201 177.425,52.547 177.425,52.82 177.78,53.175 179.108,53.175 179.475,53.542 179.475,55.375 v1(179.875,55.775)